# Altium PCB Stabiliser.PCBDOC (part 7 of 8)
Units mm, origin at the board's own origin, x right, y up, seen from the top; angles counter-clockwise.
Board outline 162.48 x 100 mm, 4 copper layers (Top, GP1(GND), L3, Bot), stack 1.648 mm thick; 687 components, 419 nets, 2139 pads, 1048 vias.
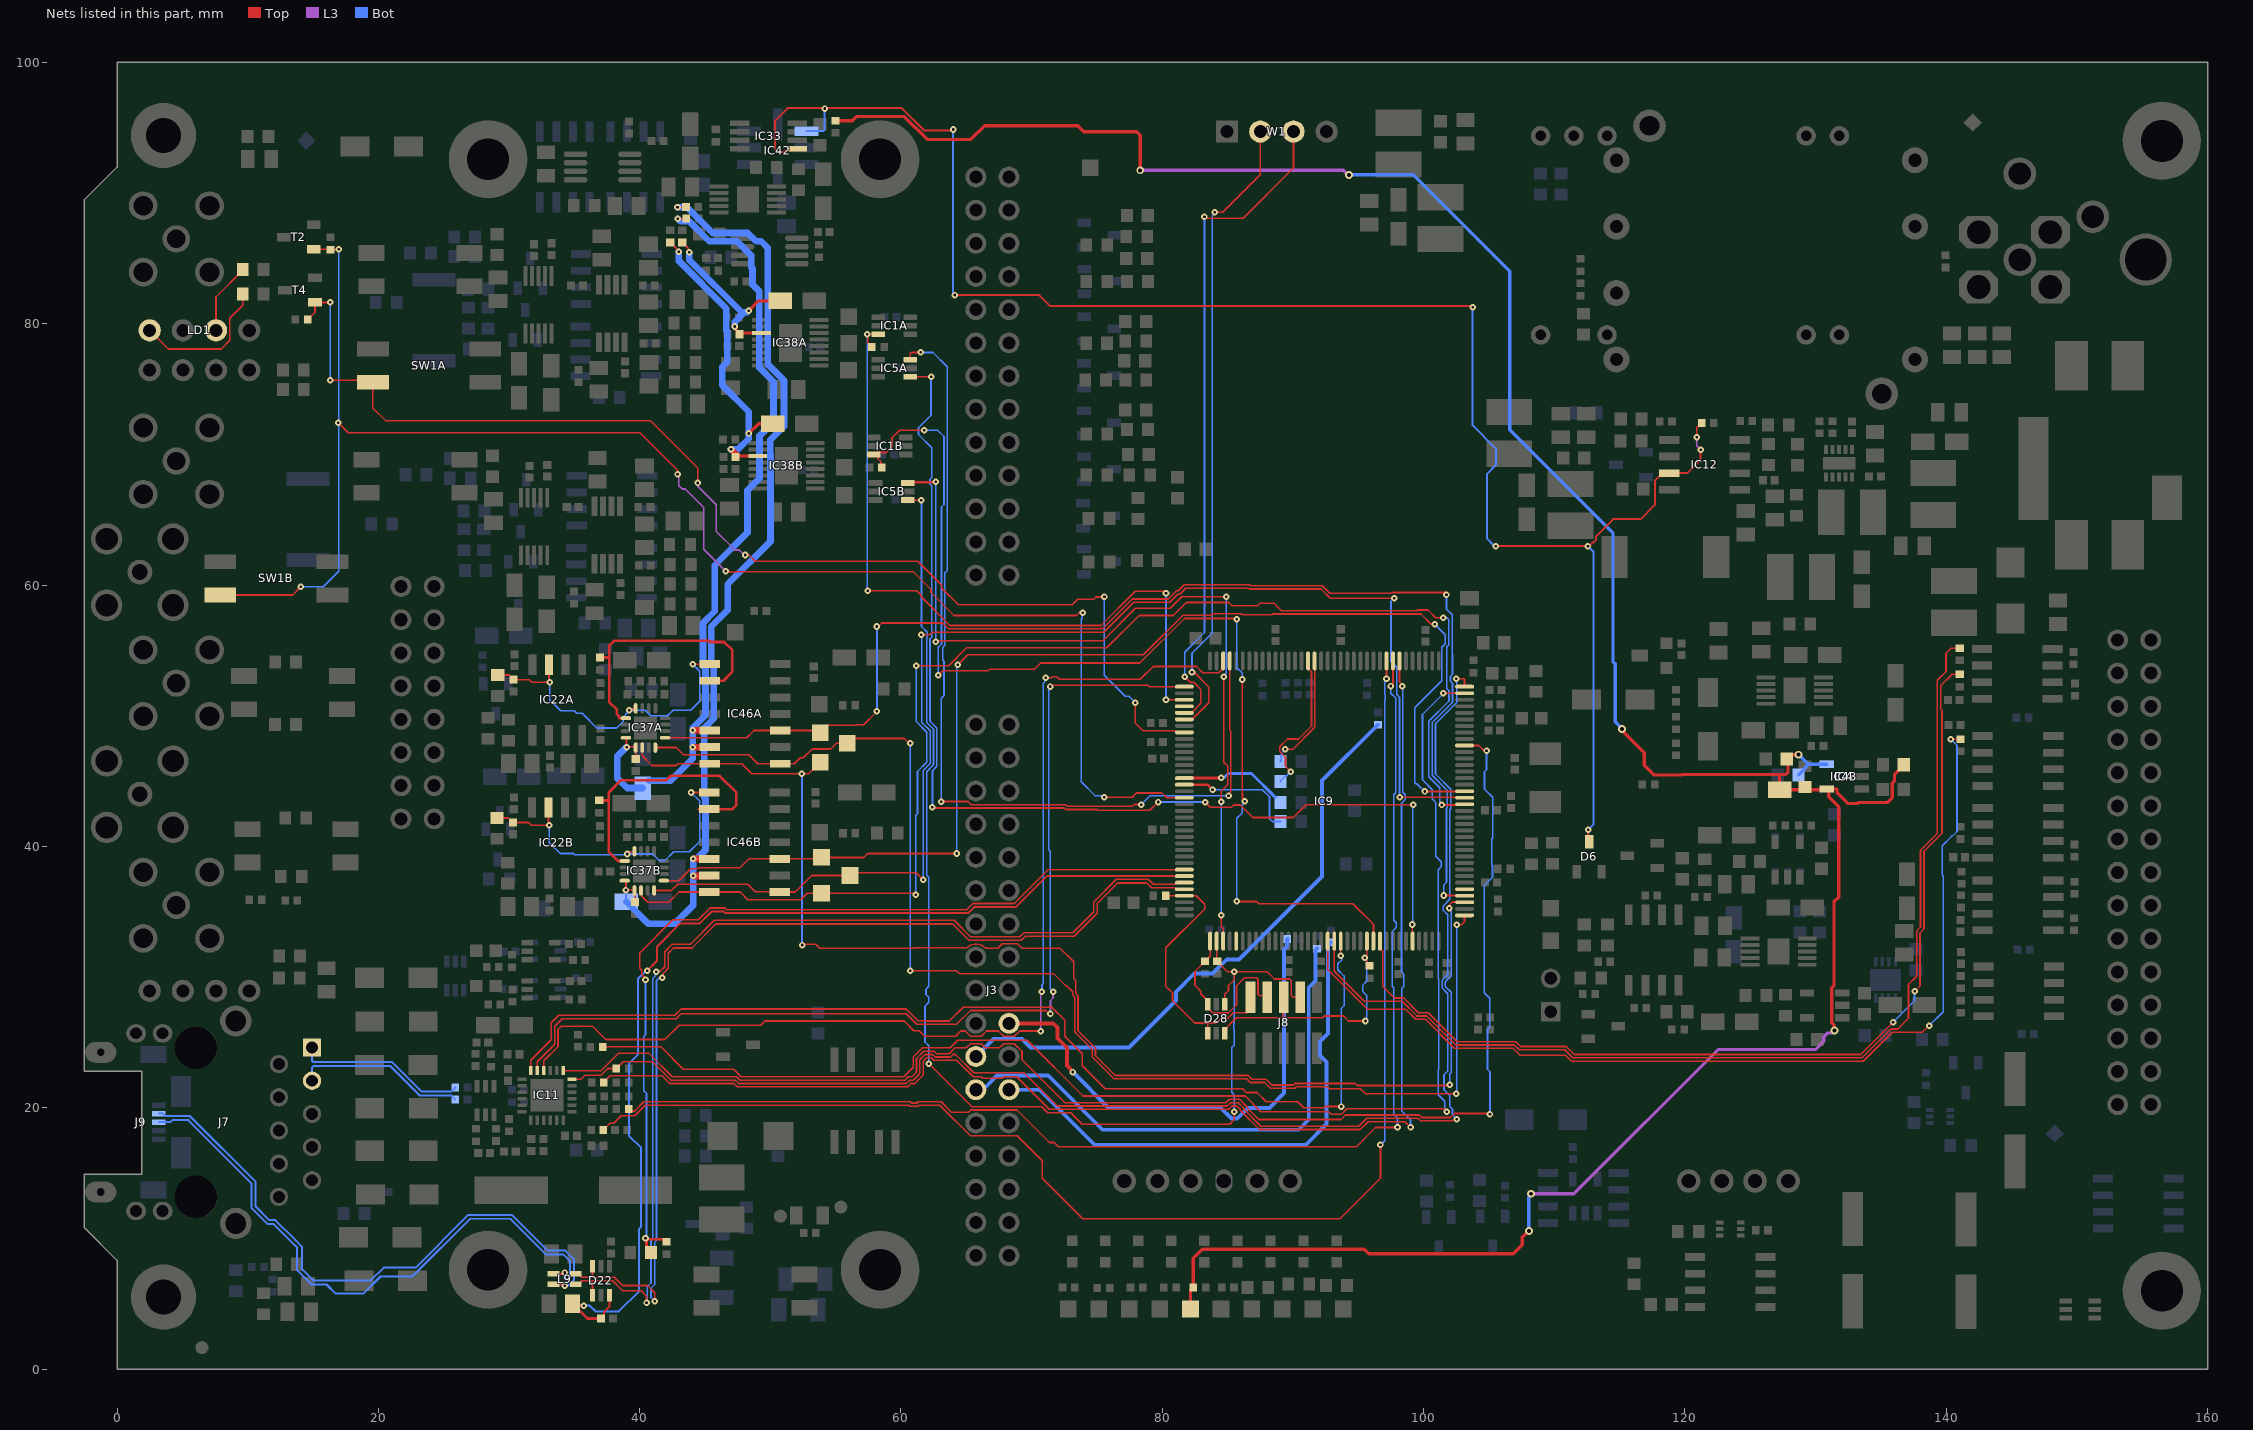
[diagram p9: the nets of this part, all layers, seen from the top]

## Via types
v1: diameter 0.5, hole 0.2, Top to Bot, tented both sides, 829 vias
v2: diameter 0.7, hole 0.5, Top to Bot, tented both sides, 83 vias
v3: diameter 0.5, hole 0.2, Top to Bot, 52 vias
v4: diameter 0.6, hole 0.3, Top to Bot, tented both sides, 41 vias
v5: diameter 1.27, hole 0.711, Top to Bot, tented both sides, 37 vias
v6: diameter 0.66, hole 0.33, Top to Bot, tented both sides, 5 vias
v7: diameter 1, hole 0.6, Top to Bot, tented both sides, 1 vias

## Nets (pads, with @x,y where several pads share a name; then routed paths per layer and width w, separated by ;. In a path a pad name is that pad's centre, name@x,y a point inside that pad or via, vN(x,y) a via of type N, cw(c..) or ccw(c..) an arc to the next point about the centre after c; other vN are vias at no path point) (continued)
REF_P4V096_ADCA: C16A.1 C100A.2 IC38A.3 R34.2 | length 13.7
  Top w0.127: R34.2@43.26,86.225 43.28,86.225 43.714,85.791 43.714,85.536 v1(43.786,85.465)
  Top w0.2: C100A.2@47.627,79.202 47.69,79.266 47.718,79.294 IC38A.3@49.337,79.294
  Top w0.254: v1(47.288,79.794) 47.288,79.668 C100A.2@47.69,79.266 ; v1(48.346,81.001) 49.096,81.751 C16A.1@50.196,81.751
  Bot w0.508: v1(43.786,85.465) 43.786,84.907 47.809,80.884 48.23,80.884 v1(48.346,81.001) ; v1(47.288,79.794) 47.288,80.161 47.91,80.783
REF_P4V096_ADCB: C16B.1 C100B.2 IC38B.3 R94.2 | length 24.4
  Top w0.152: R94.2@42.343,86.225 42.363,86.225 43,85.588 v1(43,85.5)
  Top w0.254: v1@46.99,70.292 47.4,69.883 IC38B.3@49.039,69.883 ; 47.241,70.331 C100B.2@47.552,70.021 ; v1(48.35,71.608) 49.1,72.358 C16B.1@50.2,72.358 ; IC38B.3@49.14,69.872 49.143,69.875 49.16,69.858 IC38B.3@49.175,69.872
  Bot w0.508: v1(43,85.5) 43,84.795 46.63,81.165 46.63,79.509 46.718,79.422 46.718,77.096 46.334,76.712 46.334,75.283 48.35,73.267 v1(48.35,71.608) 48.35,71.208 47.551,70.409 v1(46.99,70.409)
REF_P4V096_DAC1: C101A.2 C138A.1 IC37A.4 IC37A.5 IC46A.5 IC46A.6 R106.2 | length 63.9
  Top w0.127: v1@38.998,47.638 IC37A.4@38.998,48.32 ; v1@39.016,47.62 39.698,47.62 C101A.2@39.698,46.682 C101A.2@39.698,46.602 ; v1(42.927,88.045) R106.2@43.574,88.045
  Top w0.508: v1(44.055,48.888) 45.604,48.888 IC46A.5@45.62,48.871 ; v1(44.069,47.602) IC46A.6@45.62,47.602
  Bot w0.508: v1(38.998,47.602) 38.278,46.881 38.278,45.242 39.049,44.471 C138A.1@40.234,44.471 ; C138A.1@40.691,45.034 42.369,45.034 44.069,46.734 v1(44.069,47.602) 44.069,48.888 44.069,49.078 45.035,50.044 45.035,53.6 44.844,53.791 44.844,57.09 45.75,57.996 45.75,61.517 48.25,64.017 48.25,67.261 49.175,68.186 49.175,71.425 50.246,72.496 50.246,75.569 49.161,76.654 49.161,82.483 48.639,83.005 48.639,84.234 48.534,84.339 48.534,85.228 47.449,86.313 45.331,86.313 43.805,87.839 43.134,87.839 v1(42.927,88.045)
REF_P4V096_DAC2: C101B.2 C138B.1 IC37B.4 IC37B.5 IC46B.5 IC46B.6 R105.2 | length 75.7
  Top w0.127: IC37B.4@38.953,37.382 38.953,36.7 38.971,36.682 39.653,36.682 C101B.2@39.653,35.744 C101B.2@39.653,35.664 ; v1(42.896,88.933) R105.2@43.548,88.933 R105.2@43.615,88.933
  Top w0.508: v1(44.093,39.055) 45.575,39.055 IC46B.5@45.581,39.05 ; v1(44.112,37.743) 45.544,37.743 IC46B.6@45.581,37.78
  Bot w0.127: v1(38.953,36.664) 38.953,35.789 C138B.1@38.978,35.764
  Bot w0.508: C138B.1@38.978,35.764 40.646,34.096 42.686,34.096 44.112,35.521 v1(44.112,37.743) v1@44.112,39.055 ; v1(42.896,88.933) 43.609,88.933 45.594,86.948 48.278,86.948 48.913,86.313 49.308,86.313 49.796,85.825 49.796,76.917 51.051,75.662 51.051,72.162 50,71.112 50,70 50.012,69.988 50.012,63.343 46.742,60.073 46.742,58.09 45.479,56.827 45.479,54.054 45.67,53.863 45.67,49.781 44.95,49.061 44.95,43.743 45.035,43.657 45.035,39.74 44.35,39.055 v1(44.093,39.055)
REF_S\H\D\N\: D6.3 IC12.7 IC33.1 IC42.1 R57.1 | length 140.1
  Top w0.152: IC33.1@52.075,93.396 51.926,93.247 51.109,93.247 50.995,93.134 50.617,93.134 50.349,93.402 50.349,94.03 50.372,94.054 50.372,95.543 51.329,96.5 60.075,96.5 61.783,94.793 62.793,94.793 62.8,94.8 63.929,94.8 v1(64,94.871) ; v1(64.12,82.201) 70.591,82.201 71.436,81.355 75.638,81.355 75.639,81.356 103.673,81.356 v1(103.75,81.279) ; v1(105.511,62.988) 112.673,62.988 112.955,63.27 113.014,63.27 113.203,63.46 113.203,63.736 114.51,65.043 116.611,65.043 117.704,66.135 117.704,67.993 118.279,68.568 IC12.7@118.799,68.568 120.166,68.568 121.209,69.611 v1(121.209,70.353) ; v1(112.598,41.274) 112.598,40.425 D6.3@112.664,40.359 ; v1(120.904,71.32) 120.904,72.047 R57.1@121.272,72.415
  L3 w0.152: v1(120.904,71.32) 120.904,70.657 v1(121.209,70.353)
  Bot w0.152: IC42.1@52.764,94.742 54.035,94.742 54.153,94.86 v1(54.153,96.475) ; v1(64,94.871) 64,82.321 v1(64.12,82.201) ; v1(103.75,81.279) 103.755,81.274 103.755,72.36 103.75,72.355 103.75,72.229 105.529,70.45 105.529,69.192 104.838,68.501 104.838,63.573 105.423,62.988 v1(105.511,62.988) ; v1(112.579,62.988) 112.995,62.572 112.995,41.671 v1(112.598,41.274)
REF_VCC: C45.2 C65.1 C134.2 C169.2 IC4.5 IC43.5 R26.2 R63.1 R120.1 TP8.1 | length 213.1
  Top w0.254: R120.1@54.995,95.55 56.282,95.55 56.591,95.86 60.249,95.86 62.001,94.107 65.354,94.107 66.393,95.146 73.535,95.146 73.99,94.691 78.029,94.691 78.307,94.413 v4(78.307,91.746) ; TP8.1@82.155,4.597 82.155,6.031 R63.1@82.375,6.25 82.375,8.478 83.065,9.169 95.443,9.169 95.785,8.827 106.871,8.827 107.556,9.512 107.556,10.079 v4(108.058,10.58) ; v4(115.189,48.997) 115.189,48.903 115.353,48.739 115.353,48.705 116.882,47.176 116.882,46.202 117.609,45.474 119.778,45.474 119.812,45.508 127.242,45.508 ; C45.2@127.792,46.696 128.119,47.023 v4(128.703,47.023) ; C45.2@127.892,46.346 127.892,45.691 127.708,45.508 127.242,45.508 ; v4(131.445,25.908) 131.407,25.946 131.407,26.346 131.238,26.515 131.238,29.176 131.407,29.345 131.407,35.761 131.775,36.129 131.775,43.025 131.013,43.787 IC4.5@131.013,44.396 ; C134.2@136.757,46.253 136.042,45.539 136.042,45.01 135.871,44.839 135.871,43.74 135.492,43.362 133.269,43.362 133.189,43.282 132.482,43.282 131.631,44.133 131.631,44.396 IC4.5@131.013,44.396 ; 127.242,45.508 C65.1@127.242,44.346 130.792,44.346 IC4.5@130.842,44.396 IC4.5@131.013,44.396
  L3 w0.254: v4(78.307,91.746) 93.86,91.746 94.206,91.4 v4(94.3,91.4) ; v4(108.22,13.42) 111.497,13.42 122.537,24.459 129.996,24.459 130.624,25.087 130.624,25.431 130.92,25.726 131.263,25.726 v4(131.445,25.908)
  Bot w0.254: v4(94.3,91.4) 99.2,91.4 106.582,84.018 106.582,71.904 114.491,63.995 114.491,54.142 114.656,53.978 114.656,49.53 v4(115.189,48.997) ; v4(108.058,10.58) 108.058,13.164 108.22,13.327 v4(108.22,13.42) ; C169.2@128.692,45.474 128.692,45.499 129.414,46.222 129.414,46.312 ; v4(128.703,47.023) 129.414,46.312 ; IC43.5@130.842,46.296 129.591,46.296 129.575,46.312 129.414,46.312
REV_ID0: IC9.56 R180.1 | length 9.3
  Top w0.127: v1(89.425,47.447) 90.008,47.447 91.677,49.116 91.677,54.184 IC9.56@91.659,54.202
  Bot w0.127: v1(89.425,47.447) 89.091,47.114 R180.1@89.091,46.595 ; R180.1@89.091,46.595 89.091,46.545 R180.1@89.043,46.498 89.043,46.548 R180.1@89.091,46.595
REV_ID1: IC9.57 R181.1 | length 11.6
  Top w0.127: v1(89.836,45.731) 89.425,46.142 89.425,46.824 88.984,47.265 88.984,47.63 89.576,48.222 90.424,48.222 91.423,49.221 91.423,53.363 91.159,53.627 IC9.57@91.159,54.202
  Bot w0.127: R181.1@89.043,44.974 89.043,45.024 89.43,45.411 89.516,45.411 v1(89.836,45.731)
REV_ID2: IC9.87 R182.1 | length 7.9
  Top w0.203: IC9.87@81.684,45.227 81.696,45.238 84.488,45.238 v1(84.5,45.25)
  Bot w0.203: v1(84.5,45.25) 84.557,45.307 84.767,45.307 85.04,45.58 86.83,45.58 88.645,43.765 R182.1@88.695,43.765
REV_ID3: IC9.88 R183.1 | length 9.5
  Top w0.203: IC9.88@81.684,44.727 83.467,44.727 v1(83.845,44.348)
  Bot w0.127: v1(83.845,44.348) 87.648,44.348 88.199,43.797 88.199,42.109 88.403,41.905 R183.1@89.043,41.905
RFBA: C2A.2 IC22A.7 IC37A.16 IC46A.1 R9A.1 | length 25.8
  Top w0.127: R9A.1@29.142,53.12 30.003,53.12 C2A.2@30.353,52.77 31.545,52.77 31.745,52.57 v1(33.122,52.57) ; v1@33.067,52.625 IC22A.7@33.067,53.91 ; v1(39.2,50.42) 39.3,50.52 IC37A.16@39.698,50.52 ; v1(44.055,53.951) IC46A.1@45.62,53.951
  Bot w0.127: v1(33.122,52.57) 33.122,51.232 33.958,50.395 34.982,50.395 35.183,50.195 35.599,50.195 36.728,49.067 38.238,49.067 38.737,49.566 38.737,49.912 39.128,50.303 39.098,50.334 39.184,50.42 v1(39.2,50.42) 40.429,50.42 40.847,50.002 42.124,50.002 42.234,50.112 42.251,50.112 42.567,50.428 43.908,50.428 44.591,51.111 44.591,53.415 v1(44.055,53.951)
RFBB: C2B.2 IC22B.7 IC37B.16 IC46B.1 R9B.1 | length 25.9
  Top w0.127: R9B.1@29.097,42.182 29.958,42.182 C2B.2@30.308,41.832 31.5,41.832 31.7,41.632 v1(33.077,41.632) ; v1@33.022,41.687 IC22B.7@33.022,42.972 ; v1(39.065,39.421) 39.226,39.582 IC37B.16@39.653,39.582 ; v1(43.934,44.13) IC46B.1@45.581,44.13
  Bot w0.127: v1(33.077,41.632) 33.077,40.294 33.914,39.458 34.938,39.458 35.03,39.365 39.084,39.365 39.065,39.384 v1(39.065,39.421) 41.001,39.421 41.494,38.928 41.933,38.928 42.599,39.593 43.802,39.593 44.591,40.382 44.591,43.473 v1(43.934,44.13)
RMII_CRS_DV: IC9.43 R50.1 | length 103.3
  Top w0.127: R50.1@37.258,21.946 37.258,21.966 37.738,22.446 41.705,22.446 42.296,21.856 47.213,21.856 47.461,21.609 60.523,21.609 60.771,21.856 61.049,21.856 61.697,22.503 61.697,23.565 61.955,23.823 62.32,23.823 62.506,23.636 64.254,23.636 65.52,22.371 66.14,22.371 66.26,22.25 67.74,22.25 67.86,22.371 68.854,22.371 71.346,19.878 85.078,19.878 85.336,20.136 85.701,20.136 85.959,19.878 85.959,19.812 87.439,18.332 95.145,18.332 95.753,18.94 98.559,18.94 v1(99,18.5) ; IC9.43@98.159,54.202 98.159,52.589 98.374,52.374 v1(98.374,52.273)
  Bot w0.127: v1@98.413,52.284 98.413,44.141 98.6,43.954 98.6,43.59 98.305,43.295 98.305,30.422 98.484,30.242 98.484,29.297 98.339,29.152 98.339,19.736 99,19.075 v1(99,18.5)
RMII_MDC: IC9.27 IC11.13 | length 108.5
  Top w0.127: IC11.13@34.155,22.845 37.038,22.845 38.352,24.16 40.71,24.16 42.506,22.364 47.424,22.364 47.671,22.117 60.313,22.117 60.56,22.364 60.839,22.364 61.189,22.714 61.189,23.775 61.744,24.331 62.53,24.331 62.717,24.144 63.692,24.144 64.14,24.593 65.002,24.593 65.32,24.911 66.14,24.911 66.458,24.593 67.542,24.593 67.86,24.911 68.68,24.911 69.261,24.33 69.261,23.684 72.559,20.386 84.868,20.386 85.126,20.644 85.911,20.644 86.467,20.088 86.467,20.023 87.389,19.101 93.671,19.101 94.019,19.448 99.67,19.448 99.864,19.255 102.057,19.255 102.364,19.562 105.015,19.562 v1(105.077,19.5) ; IC9.27@103.134,47.727 104.226,47.727 104.632,47.321 v1(104.816,47.321)
  Bot w0.127: v1(104.816,47.321) 104.816,45.88 104.665,45.729 104.665,44.376 105.279,43.762 105.279,40.655 105.214,40.591 105.214,38.603 105.268,38.549 105.268,37.645 104.637,37.014 104.637,28.801 105.054,28.384 105.054,26.175 104.891,26.012 104.891,22.935 105.077,22.749 v1(105.077,19.5)
RMII_MDIO: IC9.36 IC11.12 R98.2 | length 111
  Top w0.127: IC11.12@34.805,22.195 35.524,22.195 35.822,22.494 37.045,22.494 37.553,23.001 R98.2@38.211,23.001 38.737,23.528 40.983,23.528 42.401,22.11 47.319,22.11 47.566,21.863 60.418,21.863 60.665,22.11 60.944,22.11 61.443,22.608 61.443,23.67 61.849,24.077 62.425,24.077 62.611,23.89 63.797,23.89 63.983,24.077 64.173,24.077 65.578,22.671 69.42,22.671 71.959,20.132 84.973,20.132 85.231,20.39 85.806,20.39 86.213,19.983 86.213,19.917 87.544,18.586 95.04,18.586 95.648,19.194 99.565,19.194 99.759,19.001 102.162,19.001 102.212,19.05 102.475,19.05 v1(102.547,19.122) ; v1(102.5,52.838) 103.125,52.838 103.134,52.828 IC9.36@103.134,52.227
  Bot w0.127: v1(102.5,52.838) 102.547,52.791 102.547,51.02 100.909,49.383 100.909,45.548 102.073,44.385 102.073,42.888 102,42.814 102,35.948 101.515,35.463 101.515,35.098 101.852,34.761 101.852,30.19 101.414,29.752 101.414,29.176 101.852,28.738 101.852,22.81 101.559,22.517 101.559,21.384 102,20.944 102,20.092 102.214,19.878 102.214,19.454 v1(102.547,19.122)
RMII_REF_CLK: IC9.35 R60.1 | length 105.1
  Top w0.127: R60.1@37.171,24.66 41.63,24.66 43.336,22.954 47.193,22.954 47.776,22.371 60.208,22.371 60.935,23.097 60.935,23.88 61.645,24.591 63.779,24.591 64.353,25.165 69.669,25.165 73.93,20.904 86.338,20.904 87.54,19.702 92.725,19.702 92.928,19.5 93.712,19.5 94.129,19.917 101.552,19.917 v1(101.774,19.695) ; v1(101.5,51.727) IC9.35@103.134,51.727
  Bot w0.127: v1(101.5,51.727) 101.52,51.707 99.91,50.098 99.91,45.095 100.655,44.35 100.655,43.641 100.938,43.358 100.938,39.24 101.35,38.828 101.35,38.463 101.113,38.227 101.113,29.903 101.16,29.857 101.16,22.96 101.113,22.913 101.113,21 101.621,20.492 101.621,19.848 v1(101.774,19.695)
RMII_RXD0: IC9.44 R45.1 | length 97.9
  Top w0.127: R45.1@39.161,19.965 39.371,19.755 39.62,19.755 40.315,20.449 60.701,20.449 60.787,20.364 61.235,20.364 61.32,20.449 63.079,20.449 63.87,19.659 65.148,19.659 65.32,19.831 68.886,19.831 71.372,17.344 71.724,17.344 72.041,17.028 94.856,17.028 96.316,18.487 97.987,18.487 v1(98,18.5) ; v1(97.493,52.276) 97.568,52.35 97.659,52.35 IC9.44@97.659,54.202
  Bot w0.127: v1(97.493,52.276) 97.493,51.73 97.865,51.358 97.865,44.101 97.719,43.954 97.719,34.343 97.905,34.157 97.905,33.792 97.604,33.49 97.604,29.297 97.719,29.182 97.719,19.5 98,19.219 v1(98,18.5)
RMII_RXD1: IC9.45 R46.1 | length 105.9
  Top w0.127: R46.1@37.224,18.313 37.724,18.814 38.015,18.814 38.595,19.394 39.619,19.394 40.42,20.195 60.596,20.195 60.682,20.11 61.34,20.11 61.426,20.195 62.974,20.195 65.32,17.85 68.901,17.85 70.804,15.947 70.804,14.607 73.904,11.506 93.595,11.506 96.698,14.609 v1(96.698,17.17) ; v1@96.638,17.23 v1@96.698,17.29 ; v1(97.159,52.828) IC9.45@97.159,54.202
  Bot w0.127: v1(96.698,17.17) 96.716,17.17 97.024,17.479 97.024,51.189 97.062,51.227 97.062,51.592 97.024,51.63 97.024,52.693 v1(97.159,52.828)
RMII_TX_EN: IC9.70 IC11.16 | length 85.2
  Top w0.127: IC11.16@32.655,22.845 32.655,23.589 33.746,24.68 33.746,25.991 34.002,26.247 36.386,26.247 37.407,25.226 41.926,25.226 43.019,26.32 49.266,26.32 49.584,26.637 60.239,26.637 60.988,25.888 61.4,25.888 61.803,25.485 64.181,25.485 64.566,25.87 64.92,25.87 65.32,25.47 66.14,25.47 66.54,25.87 67.46,25.87 67.86,25.47 68.68,25.47 69.08,25.87 v1(70.705,25.87) ; v1(71.074,52.902) 71.079,52.907 71.514,52.907 71.583,52.976 71.917,52.976 72.106,52.787 78.318,52.787 79.304,53.774 82.619,53.774 83.107,53.286 84.319,53.286 84.659,53.627 IC9.70@84.659,54.202
  L3 w0.127: v1(70.705,25.87) 70.705,28.794 v1(70.788,28.878)
  Bot w0.127: v1(70.788,28.878) 70.788,29.413 70.893,29.518 70.893,52.472 71.002,52.581 71.002,52.831 v1(71.074,52.902)
RMII_TXD0: IC9.73 IC11.17 | length 78.8
  Top w0.127: IC11.17@32.155,22.845 32.155,23.531 33.492,24.868 33.492,26.233 34.081,26.822 42.803,26.822 43.168,27.186 60.409,27.186 61.199,26.396 61.743,26.396 61.757,26.382 64.251,26.382 65.32,27.451 71.082,27.451 71.346,27.186 v1(71.44,27.186) ; v1(71.419,52.24) 71.52,52.24 71.629,52.35 78.878,52.35 79.001,52.227 IC9.73@81.684,52.227
  L3 w0.127: v1(71.44,27.186) 71.44,28.195 71.639,28.394 v1(71.639,28.878)
  Bot w0.127: v1(71.419,52.24) 71.419,52.139 71.315,52.035 71.315,39.724 71.416,39.622 71.416,29.101 v1(71.639,28.878)
RMII_TXD1: IC9.129 IC11.18 | length 83.6
  Top w0.127: IC11.18@31.655,22.845 31.655,23.634 33.238,25.217 33.238,26.499 33.815,27.076 42.698,27.076 43.18,27.558 60.396,27.558 61.304,26.65 61.848,26.65 61.863,26.636 63.692,26.636 64.76,27.705 71.545,27.705 72.536,26.714 72.536,25.477 73.869,24.144 73.869,23.207 75.623,21.453 86.149,21.453 86.428,21.174 87.25,21.174 87.96,20.464 90.37,20.464 90.833,20.001 92.367,20.001 92.462,20.096 v1(93.684,20.096) ; v1(93.659,31.625) IC9.129@93.659,32.752
  Bot w0.127: v1(93.659,31.625) 93.734,31.55 93.734,31.306 93.439,31.011 93.439,30.563 93.913,30.089 93.913,27.827 93.684,27.599 v1(93.684,20.096)
SCKI: IC9.128 R110.1 | length 80.6
  Top w0.127: IC9.128@93.159,32.752 93.159,30.441 95.458,28.142 98.368,28.142 99.491,27.018 100.246,27.018 102.46,24.804 106.948,24.804 107.32,24.432 110.804,24.432 111.418,23.817 133.55,23.817 135.759,26.026 136.288,26.026 137.106,26.844 137.106,29.45 137.733,30.077 137.733,33.528 138.034,33.829 138.034,39.719 139.311,40.997 139.311,52.711 139.976,53.376 139.976,54.788 140.365,55.176 R110.1@141.035,55.176
SDI: IC9.135 R108.1 | length 75
  Top w0.127: IC9.135@96.659,32.752 96.659,32.177 96.867,31.969 96.867,29.278 97.749,28.396 98.473,28.396 99.596,27.272 100.351,27.272 102.565,25.058 107.053,25.058 107.425,24.686 110.909,24.686 111.524,24.071 133.445,24.071 v1(135.927,26.553) ; v1(137.574,28.911) 137.99,29.326 137.99,33.381 138.3,33.692 138.3,39.626 139.676,41.002 139.676,50.371 139.565,50.481 139.565,52.294 140.448,53.176 R108.1@141.035,53.176
  Bot w0.127: v1(135.927,26.553) 137.574,28.201 v1(137.574,28.911)
SDO: IC9.127 R113.1 | length 76
  Top w0.127: IC9.127@92.659,32.752 92.66,30.581 95.713,27.528 98.623,27.528 99.386,26.764 100.14,26.764 102.355,24.55 106.843,24.55 107.38,24.013 110.863,24.013 111.313,23.563 133.655,23.563 135.864,25.772 138.186,25.772 v1(138.684,26.271) ; v1(140.354,48.211) R113.1@141.086,48.211
  Bot w0.127: v1(138.684,26.271) 139.759,27.346 139.759,37.75 139.688,37.821 139.688,40.047 140.4,40.759 140.432,40.759 140.818,41.144 140.818,47.747 v1(140.354,48.211)
SPI1_MISO: J3.21 R136.2 | length 46.5
  Bot w0.298: J3.21@65.73,23.92 67.085,25.275 69.26,25.275 69.925,24.61 77.459,24.61 81.054,28.206 81.054,28.873 82.443,30.261 83.85,30.261 84.931,31.342 85.878,31.342 92.235,37.7 92.235,45.054 96.334,49.153 96.334,49.173 96.475,49.314 R136.2@96.495,49.314
SPI1_MOSI: J3.20 R128.2 | length 38.1
  Top w0.298: J3.20@68.27,26.46 71.658,26.46 71.966,26.151 71.966,25.323 72.697,24.593 72.697,23.236 v1@73.175,22.758
  Bot w0.298: v1(73.152,22.734) 75.89,19.997 84.473,19.997 85.301,19.17 85.736,19.17 86.564,19.997 88.199,19.997 89.319,21.116 89.319,32.106 89.549,32.336 89.549,32.892 R128.2@89.576,32.918
SPI1_NSS: J3.23 R131.1 | length 41.3
  Bot w0.298: J3.23@65.73,21.38 65.959,21.609 66.511,21.609 67.358,22.456 71.274,22.456 75.411,18.319 90.443,18.319 91.212,19.088 91.212,29.198 91.734,29.72 91.734,32.061 R131.1@91.851,32.178
SPI1_SCK: J3.24 R132.1 | length 41.2
  Bot w0.298: J3.24@68.27,21.38 70.612,21.38 74.822,17.17 90.996,17.17 92.571,18.746 92.571,23.506 92.072,24.005 92.072,25.058 92.697,25.683 92.697,32.449 92.748,32.501 92.748,32.521 92.889,32.662 R132.1@92.909,32.662
SPI2_MISO: IC1A.6 IC9.75 R123A.2 | length 56.3
  Top w0.127: v1(57.455,59.563) 61.208,59.563 61.541,59.23 61.541,59.115 63.744,56.912 75.311,56.912 77.923,59.524 80.141,59.524 v1(80.283,59.382) ; R123A.2@57.772,78.236 57.772,78.256 57.546,78.483 57.529,78.483 57.455,78.557 57.455,79.17 v1(57.429,79.195) 58.242,79.195 IC1A.6@58.251,79.204 ; v1(80.283,51.239) 80.289,51.233 81.678,51.233 IC9.75@81.684,51.227
  Bot w0.127: v1(57.429,79.195) 57.429,59.588 v1(57.455,59.563) ; v1(80.283,51.239) v1(80.283,59.382)
SPI2_MOSI: IC9.76
SPI2_NSS: IC5A.1 IC9.140 | length 84.6
  Top w0.127: IC5A.1@60.701,75.95 v1(62.303,75.95) ; v1(62.408,43.002) 62.465,42.945 72.497,42.945 72.609,42.833 75.001,42.833 75.069,42.765 79.048,42.765 v1(79.683,43.4) ; v1(83.274,43.378) 83.659,42.994 85.303,42.994 85.477,43.167 85.978,43.167 86.927,42.219 90.03,42.219 91.01,43.199 99.194,43.199 v1(99.212,43.18) ; v1(99.135,34.027) 99.135,32.776 IC9.140@99.159,32.752
  Bot w0.127: v1(62.303,75.95) 62.303,73.001 61.342,72.041 61.342,71.533 62.357,70.518 62.357,68.241 62.221,68.105 62.221,67.74 62.357,67.604 62.357,56.019 62.221,55.883 62.221,49.586 62.743,49.065 62.743,46.137 62.408,45.802 v1(62.408,43.002) ; v1(79.683,43.4) 83.253,43.4 v1(83.274,43.378) ; v1(99.135,34.027) 99.174,34.066 99.174,43.141 v1(99.212,43.18)
SPI2_SCK: IC5A.3 IC9.69 | length 70.2
  Top w0.127: IC5A.3@60.701,77.25 60.701,77.735 60.776,77.809 v1(61.501,77.809) ; v1(63.094,43.434) 65.135,43.434 65.371,43.199 72.602,43.199 72.714,43.087 75.106,43.087 75.113,43.081 77.715,43.081 77.84,43.205 v1(78.384,43.205) ; v1(85.069,43.882) 85.069,43.983 85.251,44.166 85.251,48.827 85.159,48.919 IC9.69@85.159,54.202
  Bot w0.127: v1(61.501,77.809) 62.446,77.809 63.543,76.712 63.543,61.124 63.356,60.937 63.356,55.389 63.198,55.231 63.198,54.277 63.289,54.186 63.289,51.542 63.094,51.347 v1(63.094,43.434) ; v1(78.384,43.205) 79.072,43.893 85.058,43.893 v1(85.069,43.882)
SPI3_MISO: IC1B.6 IC9.134 R123B.2 | length 85.8
  Top w0.127: R123B.2@58.529,69.008 58.469,69.068 58.469,69.434 58.247,69.656 58.247,69.835 58.086,69.997 IC1B.6@57.906,69.997 58.066,70.156 58.871,70.156 59.311,70.597 59.311,71.272 59.899,71.859 v1(61.783,71.859) ; v1(62.849,53.108) 63.199,53.458 66.656,53.458 66.772,53.575 70.229,53.575 70.695,54.041 78.286,54.041 81.695,57.45 85.442,57.45 85.445,57.447 85.632,57.447 v1(85.703,57.375) ; v1(85.703,35.793) 87.219,35.793 87.389,35.623 94.57,35.623 96.159,34.033 IC9.134@96.159,32.752 ; v1(86.112,52.778) 86.112,44.053 86.142,44.023 86.142,43.714 86.306,43.549 86.306,43.462 v1(86.309,43.459)